# Altium PCB KitKTS.PcbDoc (part 1 of 2)
Units mm, origin at the board's own origin, x right, y up, seen from the top; angles counter-clockwise.
Board outline 448.4 x 281.4 mm, 2 copper layers (Top Layer, Bottom Layer); 437 components, 656 nets, 2888 pads, 4 vias.
Unrouted connection lines stored in the file: 1923.
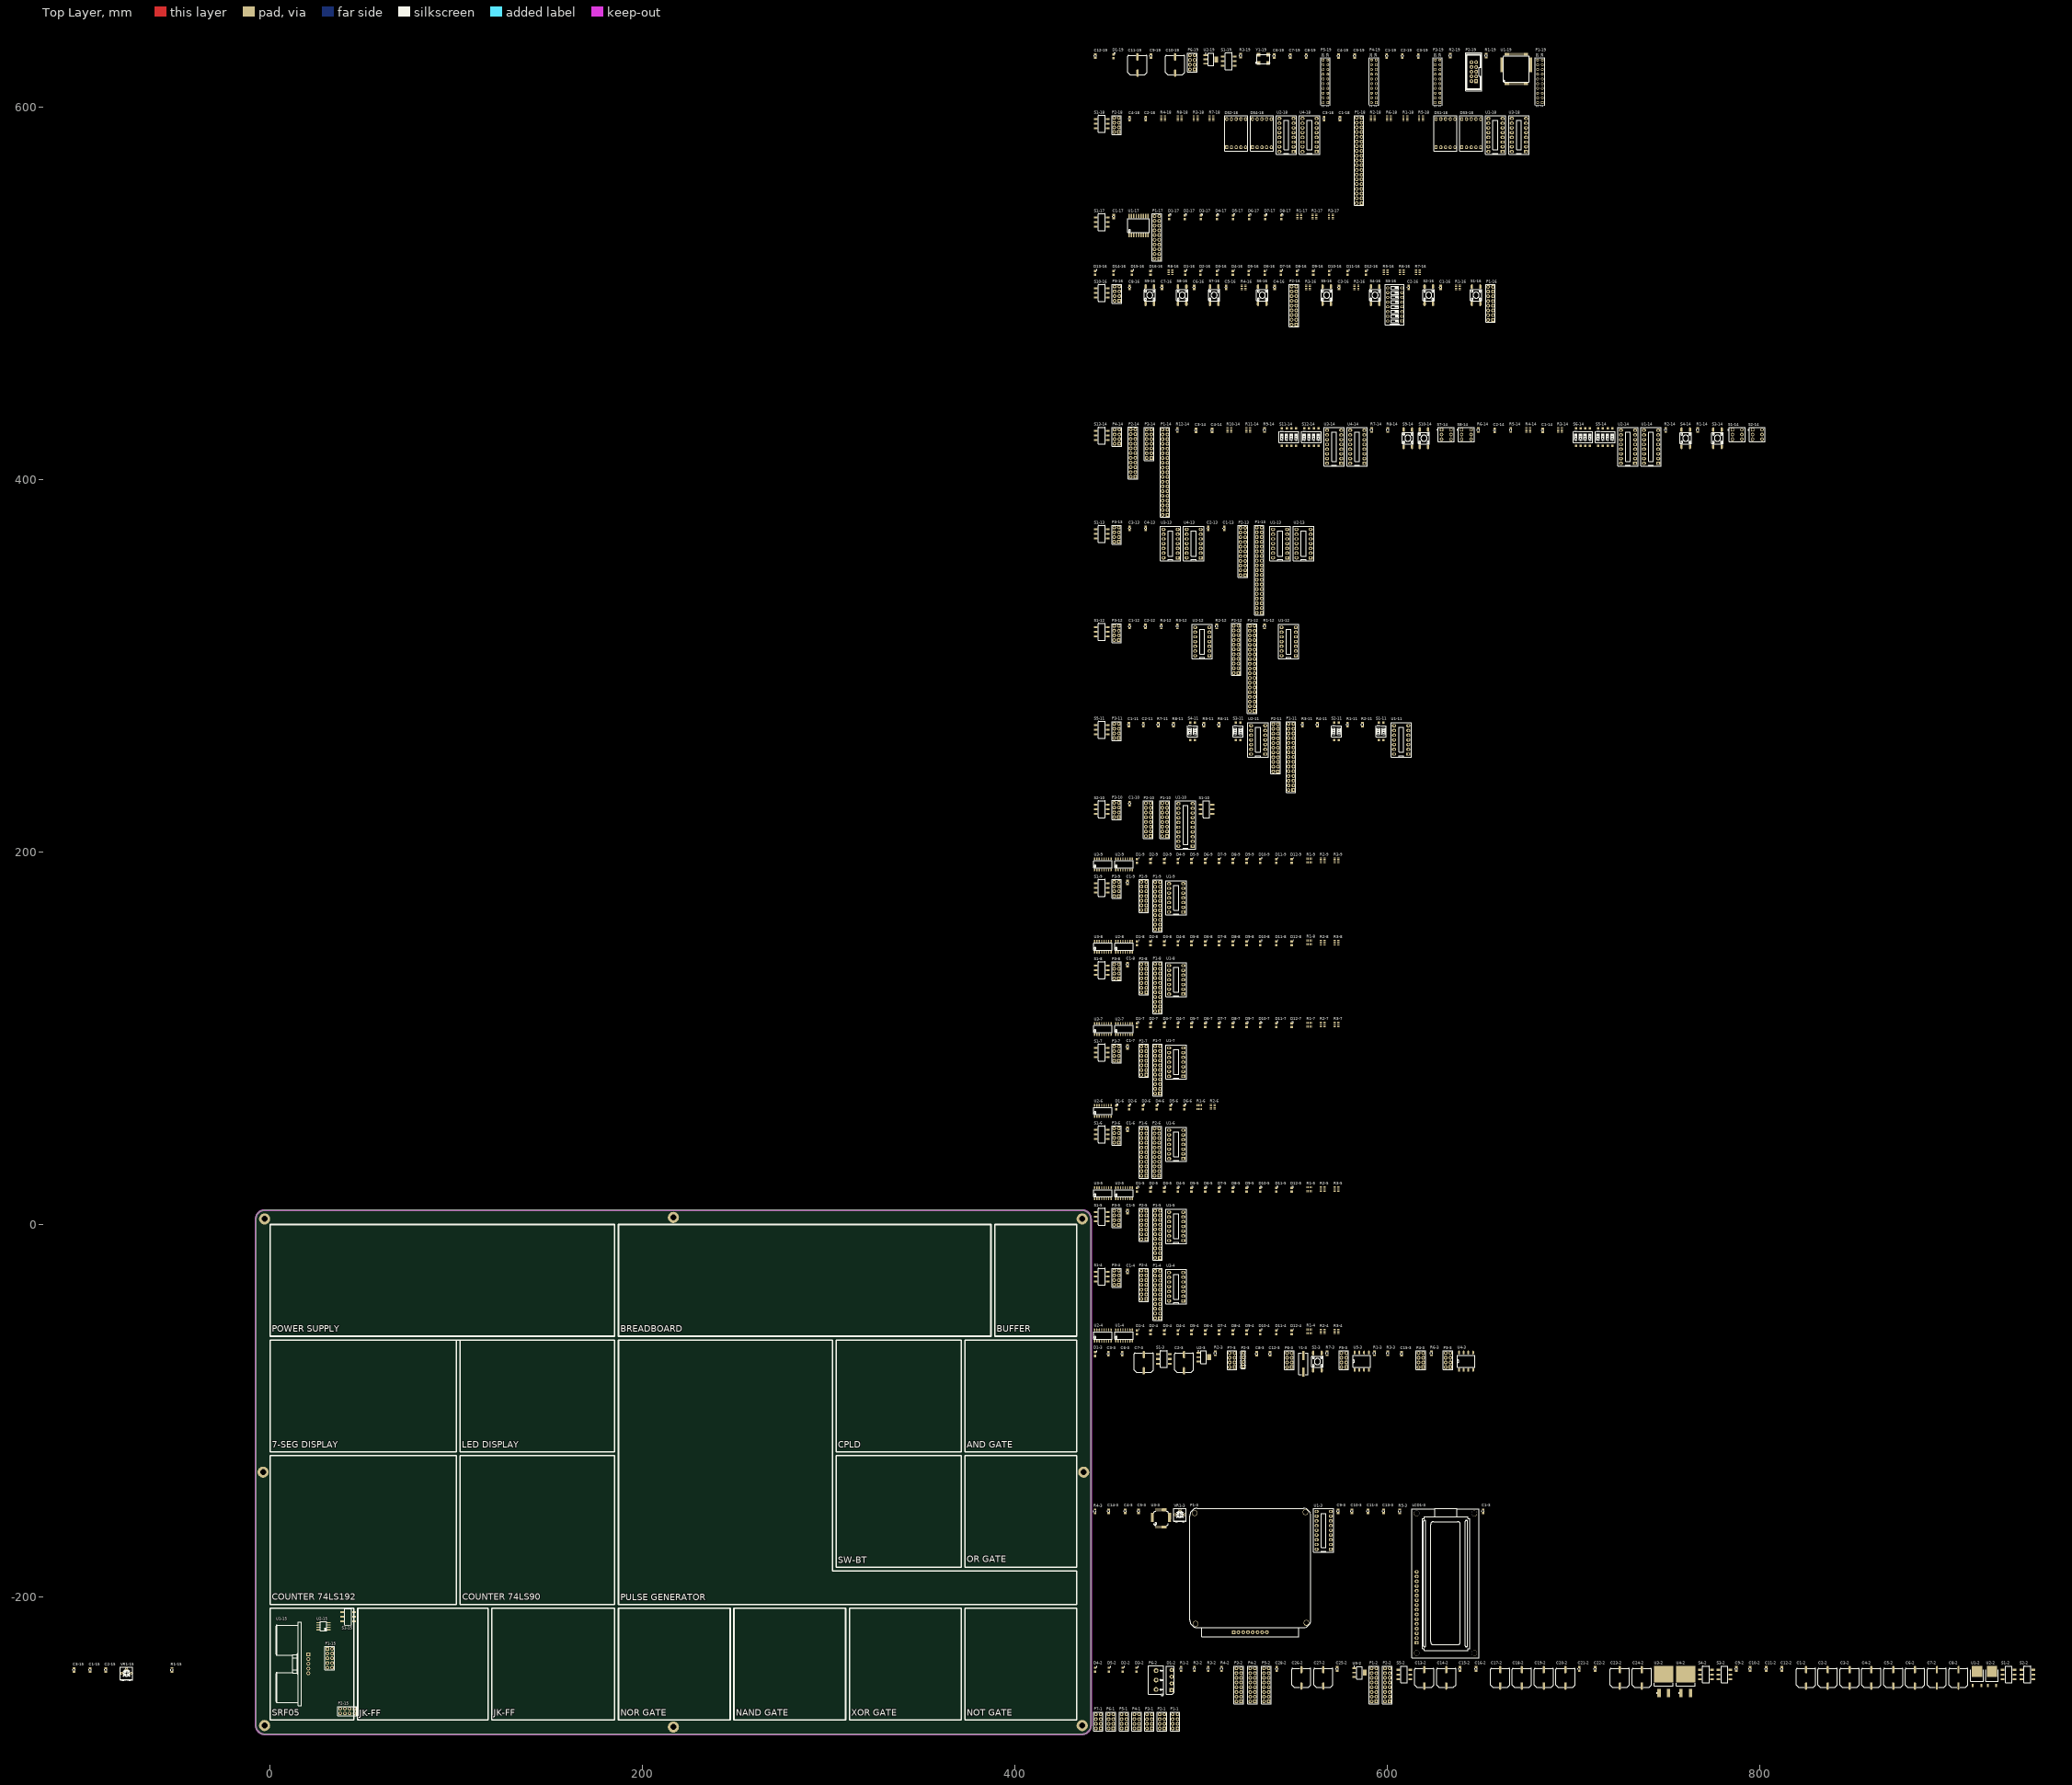
[diagram p0: Top Layer view]
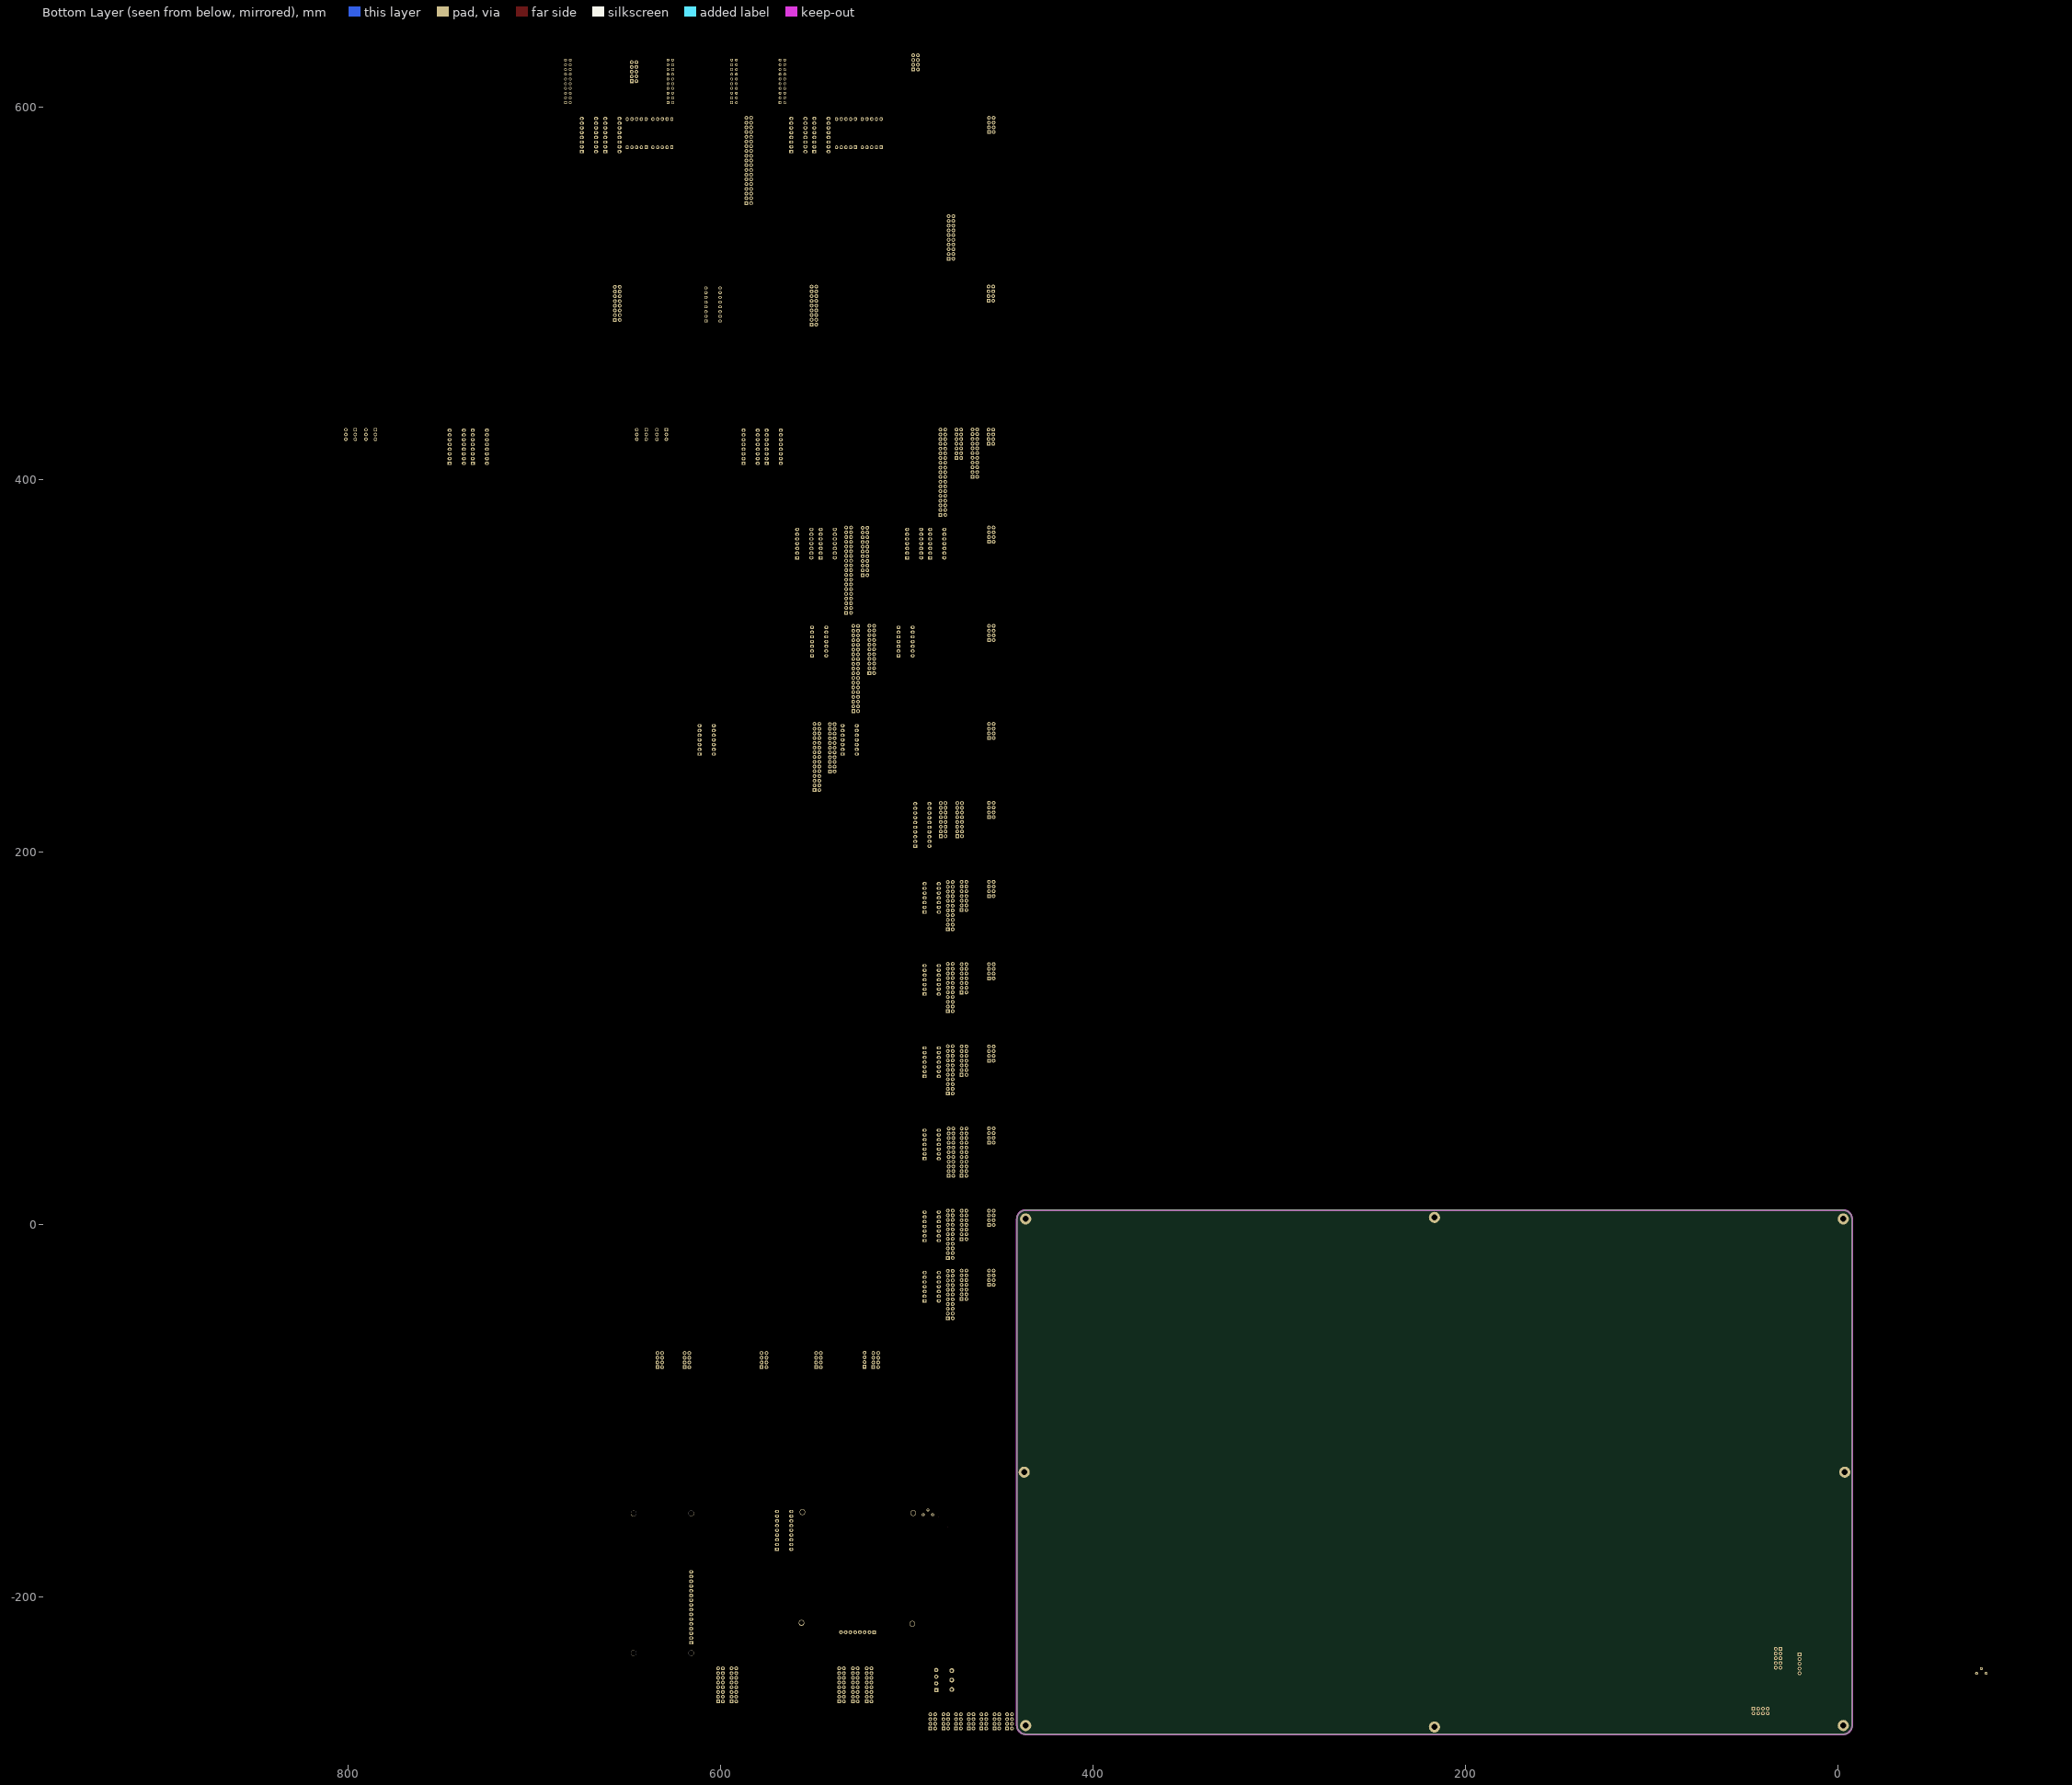
[diagram p1: Bottom Layer view, seen from below]

## Layer stack, top to bottom
Top Solder: solder mask 0.0102, Solder Resist, Dk 3.5
Top Layer: signal copper 0.0356
Dielectric 1: dielectric 0.32, FR-4, Dk 4.8
Bottom Layer: signal copper 0.0356
Bottom Solder: solder mask 0.0102, Solder Resist, Dk 3.5

## Board outline
-7.701,-269 ccw(c-3,-269) -3,-273.701 -3,-273.702 436,-273.702 436,-273.701 ccw(c436,-269) 440.701,-269 440.701,3 ccw(c436,3) 436,7.701 436,7.702 -3,7.702 -3,7.701 ccw(c-3,3) -7.701,3

## Design rules (kind name [scope] priority, off if disabled: settings)
Clearance [All] p1: gap=0.254 ignorepadtopadclearanceinfootprint=FALSE except(0: Arc-Hole Track-Hole SMDPad-Hole THPad-Hole Via-Hole Fill-Hole Poly-Hole Region-Hole Text-Hole)
PolygonConnect [All] p1: connectstyle=Relief reliefconductorwidth=0.254 reliefentries=4 polygonreliefangle="90 Angle" airgapwidth=0.254
RoomDefinition 19-CPLD [InComponentClass('19-CPLD')] p1: confinementstyle=ConfineIn formatcopy=TRUE lockcomponents=FALSE outline 441.867,599.388 686.467,599.388 686.467,631.988 441.867,631.988
RoomDefinition 18-Led7 [InComponentClass('18-Led7')] p2: confinementstyle=ConfineIn formatcopy=TRUE lockcomponents=FALSE outline 441.867,546.988 676.267,546.988 676.267,598.388 441.867,598.388
RoomDefinition 17-Led [InComponentClass('17-Led')] p3: confinementstyle=ConfineIn formatcopy=TRUE lockcomponents=FALSE outline 441.867,516.988 575.467,516.988 575.467,545.588 441.867,545.588
RoomDefinition 16-BitSWStatusLed [InComponentClass('16-BitSWStatusLed')] p4: confinementstyle=ConfineIn formatcopy=TRUE lockcomponents=FALSE outline 441.867,508.988 622.267,508.988 622.267,515.788 441.867,515.788
RoomDefinition 16-BitSW [InComponentClass('16-BitSW')] p5: confinementstyle=ConfineIn formatcopy=TRUE lockcomponents=FALSE outline 441.867,481.588 660.067,481.588 660.067,507.788 441.867,507.788
RoomDefinition 15-DistanceSRF05 [InComponentClass('15-DistanceSRF05')] p6: confinementstyle=ConfineIn formatcopy=TRUE lockcomponents=FALSE outline -124.93,-283 -107,-283 -107,-234.8 -124.93,-234.8
RoomDefinition 14-Counter74LS192 [InComponentClass('14-Counter74LS192')] p7: confinementstyle=ConfineIn formatcopy=TRUE lockcomponents=FALSE outline 441.867,379.588 803.067,379.588 803.067,430.988 441.867,430.988
RoomDefinition 13-Counter74LS90 [InComponentClass('13-Counter74LS90')] p8: confinementstyle=ConfineIn formatcopy=TRUE lockcomponents=FALSE outline 441.867,326.988 560.667,326.988 560.667,378.388 441.867,378.388
RoomDefinition 12-JKFlipFlop [InComponentClass('12-JKFlipFlop')] p9: confinementstyle=ConfineIn formatcopy=TRUE lockcomponents=FALSE outline 441.867,274.189 552.667,274.189 552.667,325.588 441.867,325.588
RoomDefinition 11-DFlipFlop [InComponentClass('11-DFlipFlop')] p10: confinementstyle=ConfineIn formatcopy=TRUE lockcomponents=FALSE outline 441.867,231.589 613.067,231.589 613.067,272.989 441.867,272.989
RoomDefinition 10-Buffer [InComponentClass('10-Buffer')] p11: confinementstyle=ConfineIn formatcopy=TRUE lockcomponents=FALSE outline 441.867,201.189 507.267,201.189 507.267,230.589 441.867,230.589
RoomDefinition 09-NORStatusLed [InComponentClass('09-NORStatusLed')] p12: confinementstyle=ConfineIn formatcopy=TRUE lockcomponents=FALSE outline 441.867,189.389 577.067,189.389 577.067,199.989 441.867,199.989
RoomDefinition 09-LogicNOR [InComponentClass('09-LogicNOR')] p13: confinementstyle=ConfineIn formatcopy=TRUE lockcomponents=FALSE outline 441.867,156.989 492.267,156.989 492.267,188.189 441.867,188.189
RoomDefinition 08-NANDStatusLed [InComponentClass('08-NANDStatusLed')] p14: confinementstyle=ConfineIn formatcopy=TRUE lockcomponents=FALSE outline 441.867,145.189 577.067,145.189 577.067,155.789 441.867,155.789
RoomDefinition 08-LogicNAND [InComponentClass('08-LogicNAND')] p15: confinementstyle=ConfineIn formatcopy=TRUE lockcomponents=FALSE outline 441.867,112.989 492.267,112.989 492.267,143.989 441.867,143.989
RoomDefinition 07-XORStatusLed [InComponentClass('07-XORStatusLed')] p16: confinementstyle=ConfineIn formatcopy=TRUE lockcomponents=FALSE outline 441.867,100.989 577.067,100.989 577.067,111.789 441.867,111.789
RoomDefinition 07-LogicXOR [InComponentClass('07-LogicXOR')] p17: confinementstyle=ConfineIn formatcopy=TRUE lockcomponents=FALSE outline 441.867,68.789 492.267,68.789 492.267,99.789 441.867,99.789
RoomDefinition 06-NOTStatusLed [InComponentClass('06-NOTStatusLed')] p18: confinementstyle=ConfineIn formatcopy=TRUE lockcomponents=FALSE outline 441.867,56.989 510.667,56.989 510.667,67.589 441.867,67.589
RoomDefinition 06-LogicNOT [InComponentClass('06-LogicNOT')] p19: confinementstyle=ConfineIn formatcopy=TRUE lockcomponents=FALSE outline 441.867,24.589 492.267,24.589 492.267,55.789 441.867,55.789
RoomDefinition 05-ORStatusLed [InComponentClass('05-ORStatusLed')] p20: confinementstyle=ConfineIn formatcopy=TRUE lockcomponents=FALSE outline 441.867,12.789 577.067,12.789 577.067,23.389 441.867,23.389
RoomDefinition 05-LogicOR [InComponentClass('05-LogicOR')] p21: confinementstyle=ConfineIn formatcopy=TRUE lockcomponents=FALSE outline 441.867,-19.411 492.267,-19.411 492.267,11.589 441.867,11.589
RoomDefinition 04-LogicAND [InComponentClass('04-LogicAND')] p22: confinementstyle=ConfineIn formatcopy=TRUE lockcomponents=FALSE outline 441.867,-51.811 492.267,-51.811 492.267,-20.611 441.867,-20.611
RoomDefinition 04-ANDStatusLed [InComponentClass('04-ANDStatusLed')] p23: confinementstyle=ConfineIn formatcopy=TRUE lockcomponents=FALSE outline 441.867,-63.611 577.067,-63.611 577.067,-53.011 441.867,-53.011
RoomDefinition 03-PulseGenerator [InComponentClass('03-PulseGenerator')] p24: confinementstyle=ConfineIn formatcopy=TRUE lockcomponents=FALSE outline 441.867,-232.81 656.467,-232.81 656.467,-64.811 441.867,-64.811
RoomDefinition 02-PowerSupply [InComponentClass('02-PowerSupply')] p25: confinementstyle=ConfineIn formatcopy=TRUE lockcomponents=FALSE outline 441.867,-257.61 948.066,-257.61 948.066,-234.21 441.867,-234.21
RoomDefinition 01-Breadboard [InComponentClass('01-Breadboard')] p26: confinementstyle=ConfineIn formatcopy=TRUE lockcomponents=FALSE outline 441.867,-272.21 488.867,-272.21 488.867,-258.81 441.867,-258.81
RoutingVias [All] p1: holewidth=0.711 width=1.27 viastyle="Through Hole" minholewidth=0.711 minwidth=1.27 maxholewidth=0.711 maxwidth=1.27
SolderMaskExpansion [All] p1: expansion=0.102
Width [All] p1: maxlimit=0.254 minlimit=0.254 preferedwidth=0.254
30 further rules are at their usual default settings.

## Classes and differential pairs
component class 19-CPLD: C1-19 C2-19 C3-19 C4-19 C5-19 C6-19 C7-19 C8-19 C9-19 C10-19 C11-19 C12-19 D1-19 P1-19 P2-19 P3-19 P4-19 P5-19 P6-19 R1-19 R2-19 R3-19 S1-19 U1-19 U2-19 Y1-19
component class 18-Led7: C1-18 C2-18 C3-18 C4-18 DS1-18 DS2-18 DS3-18 DS4-18 P1-18 P2-18 R1-18 R2-18 R3-18 R4-18 R5-18 R6-18 R7-18 R8-18 S1-18 U1-18 U2-18 U3-18 U4-18
component class 17-Led: C1-17 D1-17 D2-17 D3-17 D4-17 D5-17 D6-17 D7-17 D8-17 P1-17 R1-17 R2-17 R3-17 S1-17 U1-17
component class 16-BitSW: C1-16 C2-16 C3-16 C4-16 C5-16 C6-16 C7-16 C8-16 P1-16 P2-16 P3-16 R1-16 R2-16 R3-16 R4-16 S1-16 S2-16 S3-16 S4-16 S5-16 S6-16 S7-16 S8-16 S9-16 S10-16
component class 16-BitSWStatusLed: D1-16 D2-16 D3-16 D4-16 D5-16 D6-16 D7-16 D8-16 D9-16 D10-16 D11-16 D12-16 D13-16 D14-16 D15-16 D16-16 R5-16 R6-16 R7-16 R8-16
component class 15-DistanceSRF05: C1-15 C2-15 C3-15 P1-15 P2-15 R1-15 S1-15 U1-15 U2-15 VR1-15
component class 14-Counter74LS192: C1-14 C2-14 C3-14 C4-14 P1-14 P2-14 P3-14 P4-14 R1-14 R2-14 R3-14 R4-14 R5-14 R6-14 R7-14 R8-14 R9-14 R10-14 R11-14 R12-14 S1-14 S2-14 S3-14 S4-14 S5-14 S6-14 S7-14 S8-14 S9-14 S10-14 S11-14 S12-14 S13-14 U1-14 U2-14 U3-14 U4-14
component class 13-Counter74LS90: C1-13 C2-13 C3-13 C4-13 P1-13 P2-13 P3-13 S1-13 U1-13 U2-13 U3-13 U4-13
component class 12-JKFlipFlop: C1-12 C2-12 P1-12 P2-12 P3-12 R1-12 R2-12 R3-12 R4-12 S1-12 U1-12 U2-12
component class 11-DFlipFlop: C1-11 C2-11 P1-11 P2-11 P3-11 R1-11 R2-11 R3-11 R4-11 R5-11 R6-11 R7-11 R8-11 S1-11 S2-11 S3-11 S4-11 S5-11 U1-11 U2-11
component class 10-Buffer: C1-10 P1-10 P2-10 P3-10 S1-10 S2-10 U1-10
component class 09-NORStatusLed: D1-9 D2-9 D3-9 D4-9 D5-9 D6-9 D7-9 D8-9 D9-9 D10-9 D11-9 D12-9 R1-9 R2-9 R3-9 U2-9 U3-9
component class 09-LogicNOR: C1-9 P1-9 P2-9 P3-9 S1-9 U1-9
component class 08-NANDStatusLed: D1-8 D2-8 D3-8 D4-8 D5-8 D6-8 D7-8 D8-8 D9-8 D10-8 D11-8 D12-8 R1-8 R2-8 R3-8 U2-8 U3-8
component class 08-LogicNAND: C1-8 P1-8 P2-8 P3-8 S1-8 U1-8
component class 07-XORStatusLed: D1-7 D2-7 D3-7 D4-7 D5-7 D6-7 D7-7 D8-7 D9-7 D10-7 D11-7 D12-7 R1-7 R2-7 R3-7 U2-7 U3-7
component class 07-LogicXOR: C1-7 P1-7 P2-7 P3-7 S1-7 U1-7
component class 06-NOTStatusLed: D1-6 D2-6 D3-6 D4-6 D5-6 D6-6 R1-6 R2-6 U2-6
component class 06-LogicNOT: C1-6 P1-6 P2-6 P3-6 S1-6 U1-6
component class 05-ORStatusLed: D1-5 D2-5 D3-5 D4-5 D5-5 D6-5 D7-5 D8-5 D9-5 D10-5 D11-5 D12-5 R1-5 R2-5 R3-5 U2-5 U3-5
component class 05-LogicOR: C1-5 P1-5 P2-5 P3-5 S1-5 U1-5
component class 04-LogicAND: C1-4 P1-4 P2-4 P3-4 S1-4 U3-4
component class 04-ANDStatusLed: D1-4 D2-4 D3-4 D4-4 D5-4 D6-4 D7-4 D8-4 D9-4 D10-4 D11-4 D12-4 R1-4 R2-4 R3-4 U1-4 U2-4
component class 03-PulseGenerator: C1-3 C2-3 C3-3 C4-3 C5-3 C6-3 C7-3 C8-3 C9-3 C10-3 C11-3 C12-3 C13-3 C14-3 C15-3 D1-3 LCD1-3 P1-3 P2-3 P3-3 P4-3 P5-3 P6-3 P7-3 R1-3 R2-3 R3-3 R4-3 R5-3 R6-3 R7-3 S1-3 S2-3 U1-3 U2-3 U3-3 U4-3 U5-3 VR1-3 Y1-3
component class 02-PowerSupply: C1-2 C2-2 C3-2 C4-2 C5-2 C6-2 C7-2 C8-2 C9-2 C10-2 C11-2 C12-2 C13-2 C14-2 C15-2 C16-2 C17-2 C18-2 C19-2 C20-2 C21-2 C22-2 C23-2 C24-2 C25-2 C26-2 C27-2 C28-2 D1-2 D2-2 D3-2 D4-2 D5-2 P1-2 P2-2 P3-2 P4-2 P5-2 P6-2 R1-2 R2-2 R3-2 R4-2 S1-2 S2-2 S3-2 S4-2 S5-2 U1-2 U2-2 U3-2 U4-2 U5-2
component class 01-Breadboard: P1-1 P2-1 P3-1 P4-1 P5-1 P6-1 P7-1

## Components (designator, comment, footprint, x,y, rotation, side; value= is the part's Value field where it differs from the comment)
C1-2 "470uF/25V" C-ALU-10x10mm 824.667,-243.41 r0 top
C1-3 "104" c-0805 651.267,-154.011 r90 top value=100nF
C1-4 "104" c-0805 460.267,-25.211 r90 top value=100nF
C1-5 "104" c-0805 460.267,6.989 r90 top value=100nF
C1-6 "104" c-0805 460.267,51.189 r90 top value=100nF
C1-7 "104" c-0805 460.267,95.389 r90 top value=100nF
C1-8 "104" c-0805 460.267,139.589 r90 top value=100nF
C1-9 "104" c-0805 460.267,183.589 r90 top value=100nF
C1-10 "104" c-0805 461.467,225.989 r90 top value=100nF
C1-11 "104" c-0805 461.067,268.389 r90 top value=100nF
C1-12 "104" c-0805 461.467,321.188 r90 top value=100nF
C1-13 "104" c-0805 512.267,373.788 r90 top value=100nF
C1-14 "104" c-0805 683.267,426.388 r90 top value=100nF
C1-15 "102" c-0805 -96.73,-239.2 r90 top value=1nF
C1-16 "104" c-0805 628.467,503.188 r90 top value=100nF
C1-17 "104" c-0805 452.867,541.188 r90 top value=100nF
C1-18 "104" c-0805 574.467,593.788 r90 top value=100nF
C1-19 "104" c-0805 599.467,627.388 r90 top value=100nF
C2-2 "470uF/25V" C-ALU-10x10mm 836.267,-243.41 r0 top
C2-3 "470uF/16V" C-ALU-10x10mm 490.667,-74.211 r0 top value=470uF
C2-11 "104" c-0805 468.867,268.389 r90 top value=100nF
C2-12 "104" c-0805 469.867,321.188 r90 top value=100nF
C2-13 "104" c-0805 503.667,373.788 r90 top value=100nF
C2-14 "104" c-0805 657.467,426.388 r90 top value=100nF
C2-15 "104" c-0805 -88.33,-239.2 r90 top value=100nF
C2-16 "104" c-0805 611.267,503.188 r90 top value=100nF
C2-18 "104" c-0805 470.067,593.788 r90 top value=100nF
C2-19 "104" c-0805 607.867,627.388 r90 top value=100nF
C3-2 "470uF/25V" C-ALU-10x10mm 848.067,-243.41 r0 top
C3-3 "104" c-0805 450.067,-69.411 r90 top value=100nF
C3-13 "104" c-0805 461.467,373.788 r90 top value=100nF
C3-14 "104" c-0805 497.067,426.388 r90 top value=100nF
C3-15 "104" c-0805 -105.33,-239.2 r90 top value=100nF
C3-16 "104" c-0805 573.867,503.188 r90 top value=100nF
C3-18 "104" c-0805 565.867,593.788 r90 top value=100nF
C3-19 "104" c-0805 616.467,627.388 r90 top value=100nF
C4-2 "470uF/25V" C-ALU-10x10mm 859.666,-243.41 r0 top
C4-3 "104" c-0805 459.067,-154.011 r90 top value=100nF
C4-13 "104" c-0805 470.067,373.788 r90 top value=100nF
C4-14 "104" c-0805 505.667,426.388 r90 top value=100nF
C4-16 "104" c-0805 539.267,503.188 r90 top value=100nF
C4-18 "104" c-0805 461.467,593.788 r90 top value=100nF
C4-19 "104" c-0805 573.667,627.388 r90 top value=100nF
C5-2 "470uF/25V" C-ALU-10x10mm 871.466,-243.41 r0 top
C5-3 "104" c-0805 466.267,-154.011 r90 top value=100nF
C5-16 "104" c-0805 513.267,503.188 r90 top value=100nF
C5-19 "104" c-0805 582.267,627.388 r90 top value=100nF
C6-2 "470uF/25V" C-ALU-10x10mm 883.066,-243.41 r0 top
C6-3 "104" c-0805 457.467,-69.411 r90 top value=100nF
C6-16 "104" c-0805 496.067,503.188 r90 top value=100nF
C6-19 "104" c-0805 539.067,627.388 r90 top value=100nF
C7-2 "470uF/25V" C-ALU-10x10mm 894.866,-243.41 r0 top
C7-3 "470uF/16V" C-ALU-10x10mm 469.067,-74.211 r0 top value=470uF
C7-16 "104" c-0805 478.867,503.188 r90 top value=100nF
C7-19 "104" c-0805 547.667,627.388 r90 top value=100nF
C8-2 "470uF/25V" C-ALU-10x10mm 906.466,-243.41 r0 top
C8-3 "22" c-0805 529.667,-69.411 r90 top value=22pF
C8-16 "104" c-0805 461.467,503.188 r90 top value=100nF
C8-19 "104" c-0805 556.267,627.388 r90 top value=100nF
C9-2 "104" c-0805 787.267,-238.61 r90 top value=100nF
C9-3 "104" c-0805 573.467,-154.011 r90 top value=100nF
C9-19 "104" c-0805 472.867,627.388 r90 top value=100nF
C10-2 "104" c-0805 794.667,-238.61 r90 top value=100nF
C10-3 "104" c-0805 580.867,-154.011 r90 top value=100nF
C10-19 "470uF/16V" C-ALU-10x10mm 485.867,622.588 r0 top value=470uF
C11-2 "104" c-0805 803.267,-238.61 r90 top value=100nF
C11-3 "104" c-0805 589.467,-154.011 r90 top value=100nF
C11-19 "470uF/16V" C-ALU-10x10mm 465.667,622.588 r0 top value=470uF
C12-2 "104" c-0805 811.667,-238.61 r90 top value=100nF
C12-3 "22" c-0805 536.867,-69.411 r90 top value=22pF
C12-19 "104" c-0805 443.067,627.388 r90 top value=100nF
C13-2 "470uF/25V" C-ALU-10x10mm 619.667,-243.41 r0 top
C13-3 "104" c-0805 597.867,-154.011 r90 top value=100nF
C14-2 "470uF/25V" C-ALU-10x10mm 631.467,-243.41 r0 top
C14-3 "104" c-0805 450.267,-154.011 r90 top value=100nF
C15-2 "104" c-0805 638.867,-238.61 r90 top value=100nF
C15-3 "104" c-0805 607.467,-69.411 r90 top value=100nF
C16-2 "104" c-0805 647.467,-238.61 r90 top value=100nF
C17-2 "470uF/25V" C-ALU-10x10mm 660.467,-243.41 r0 top
C18-2 "470uF/25V" C-ALU-10x10mm 672.067,-243.41 r0 top
C19-2 "470uF/25V" C-ALU-10x10mm 683.867,-243.41 r0 top
C20-2 "470uF/25V" C-ALU-10x10mm 695.467,-243.41 r0 top
C21-2 "104" c-0805 702.867,-238.61 r90 top value=100nF
C22-2 "104" c-0805 711.467,-238.61 r90 top value=100nF
C23-2 "470uF/25V" C-ALU-10x10mm 724.667,-243.41 r0 top
C24-2 "470uF/25V" C-ALU-10x10mm 736.467,-243.41 r0 top
C25-2 "104" c-0805 572.867,-238.61 r90 top value=100nF
C26-2 "470uF/25V" C-ALU-10x10mm 553.667,-243.41 r0 top
C27-2 "470uF/25V" C-ALU-10x10mm 565.467,-243.41 r0 top
C28-2 "104" c-0805 540.467,-238.61 r90 top value=100nF
D1-2 "KPB307" D-DB-3A 483.267,-244.61 r90 top value=3A
D1-3 "LED" LED-0805 442.867,-69.611 r90 top
D1-4 "LED" LED-0805 465.467,-57.811 r90 top
D1-5 "LED" LED-0805 465.467,18.589 r90 top
D1-6 "LED" LED-0805 454.267,62.789 r90 top
D1-7 "LED" LED-0805 465.467,106.989 r90 top
D1-8 "LED" LED-0805 465.467,150.989 r90 top
D1-9 "LED" LED-0805 465.467,195.189 r90 top
D1-16 "LED" LED-0805 491.267,510.988 r90 top
D1-17 "LED" LED-0805 482.667,540.788 r90 top
D1-19 "LED" LED-0805 452.867,627.188 r90 top
D2-2 "LED" LED-0805 457.667,-239.01 r90 top
D2-4 "LED" LED-0805 472.667,-57.811 r90 top
D2-5 "LED" LED-0805 472.667,18.589 r90 top
D2-6 "LED" LED-0805 461.267,62.789 r90 top
D2-7 "LED" LED-0805 472.667,106.989 r90 top
D2-8 "LED" LED-0805 472.667,150.989 r90 top
D2-9 "LED" LED-0805 472.667,195.189 r90 top
D2-16 "LED" LED-0805 499.467,510.988 r90 top
D2-17 "LED" LED-0805 491.067,540.788 r90 top
D3-2 "LED" LED-0805 465.067,-239.01 r90 top
D3-4 "LED" LED-0805 480.067,-57.811 r90 top
D3-5 "LED" LED-0805 480.067,18.589 r90 top
D3-6 "LED" LED-0805 468.667,62.789 r90 top
D3-7 "LED" LED-0805 480.067,106.989 r90 top
D3-8 "LED" LED-0805 480.067,150.989 r90 top
D3-9 "LED" LED-0805 480.067,195.189 r90 top
D3-16 "LED" LED-0805 508.267,510.988 r90 top
D3-17 "LED" LED-0805 499.667,540.788 r90 top
D4-2 "LED" LED-0805 442.867,-239.01 r90 top
D4-4 "LED" LED-0805 487.267,-57.811 r90 top
D4-5 "LED" LED-0805 487.267,18.589 r90 top
D4-6 "LED" LED-0805 476.067,62.789 r90 top
D4-7 "LED" LED-0805 487.267,106.989 r90 top
D4-8 "LED" LED-0805 487.267,150.989 r90 top
D4-9 "LED" LED-0805 487.267,195.189 r90 top
D4-16 "LED" LED-0805 516.867,510.988 r90 top
D4-17 "LED" LED-0805 508.267,540.788 r90 top
D5-2 "LED" LED-0805 450.267,-239.01 r90 top
D5-4 "LED" LED-0805 494.667,-57.811 r90 top
D5-5 "LED" LED-0805 494.667,18.589 r90 top
D5-6 "LED" LED-0805 483.467,62.789 r90 top
D5-7 "LED" LED-0805 494.667,106.989 r90 top
D5-8 "LED" LED-0805 494.667,150.989 r90 top
D5-9 "LED" LED-0805 494.667,195.189 r90 top
D5-16 "LED" LED-0805 525.467,510.988 r90 top
D5-17 "LED" LED-0805 517.067,540.788 r90 top
D6-4 "LED" LED-0805 502.067,-57.811 r90 top
D6-5 "LED" LED-0805 502.067,18.589 r90 top
D6-6 "LED" LED-0805 490.867,62.789 r90 top
D6-7 "LED" LED-0805 502.067,106.989 r90 top
D6-8 "LED" LED-0805 502.067,150.989 r90 top